# KiCad board hh2024.kicad_pcb (continued)
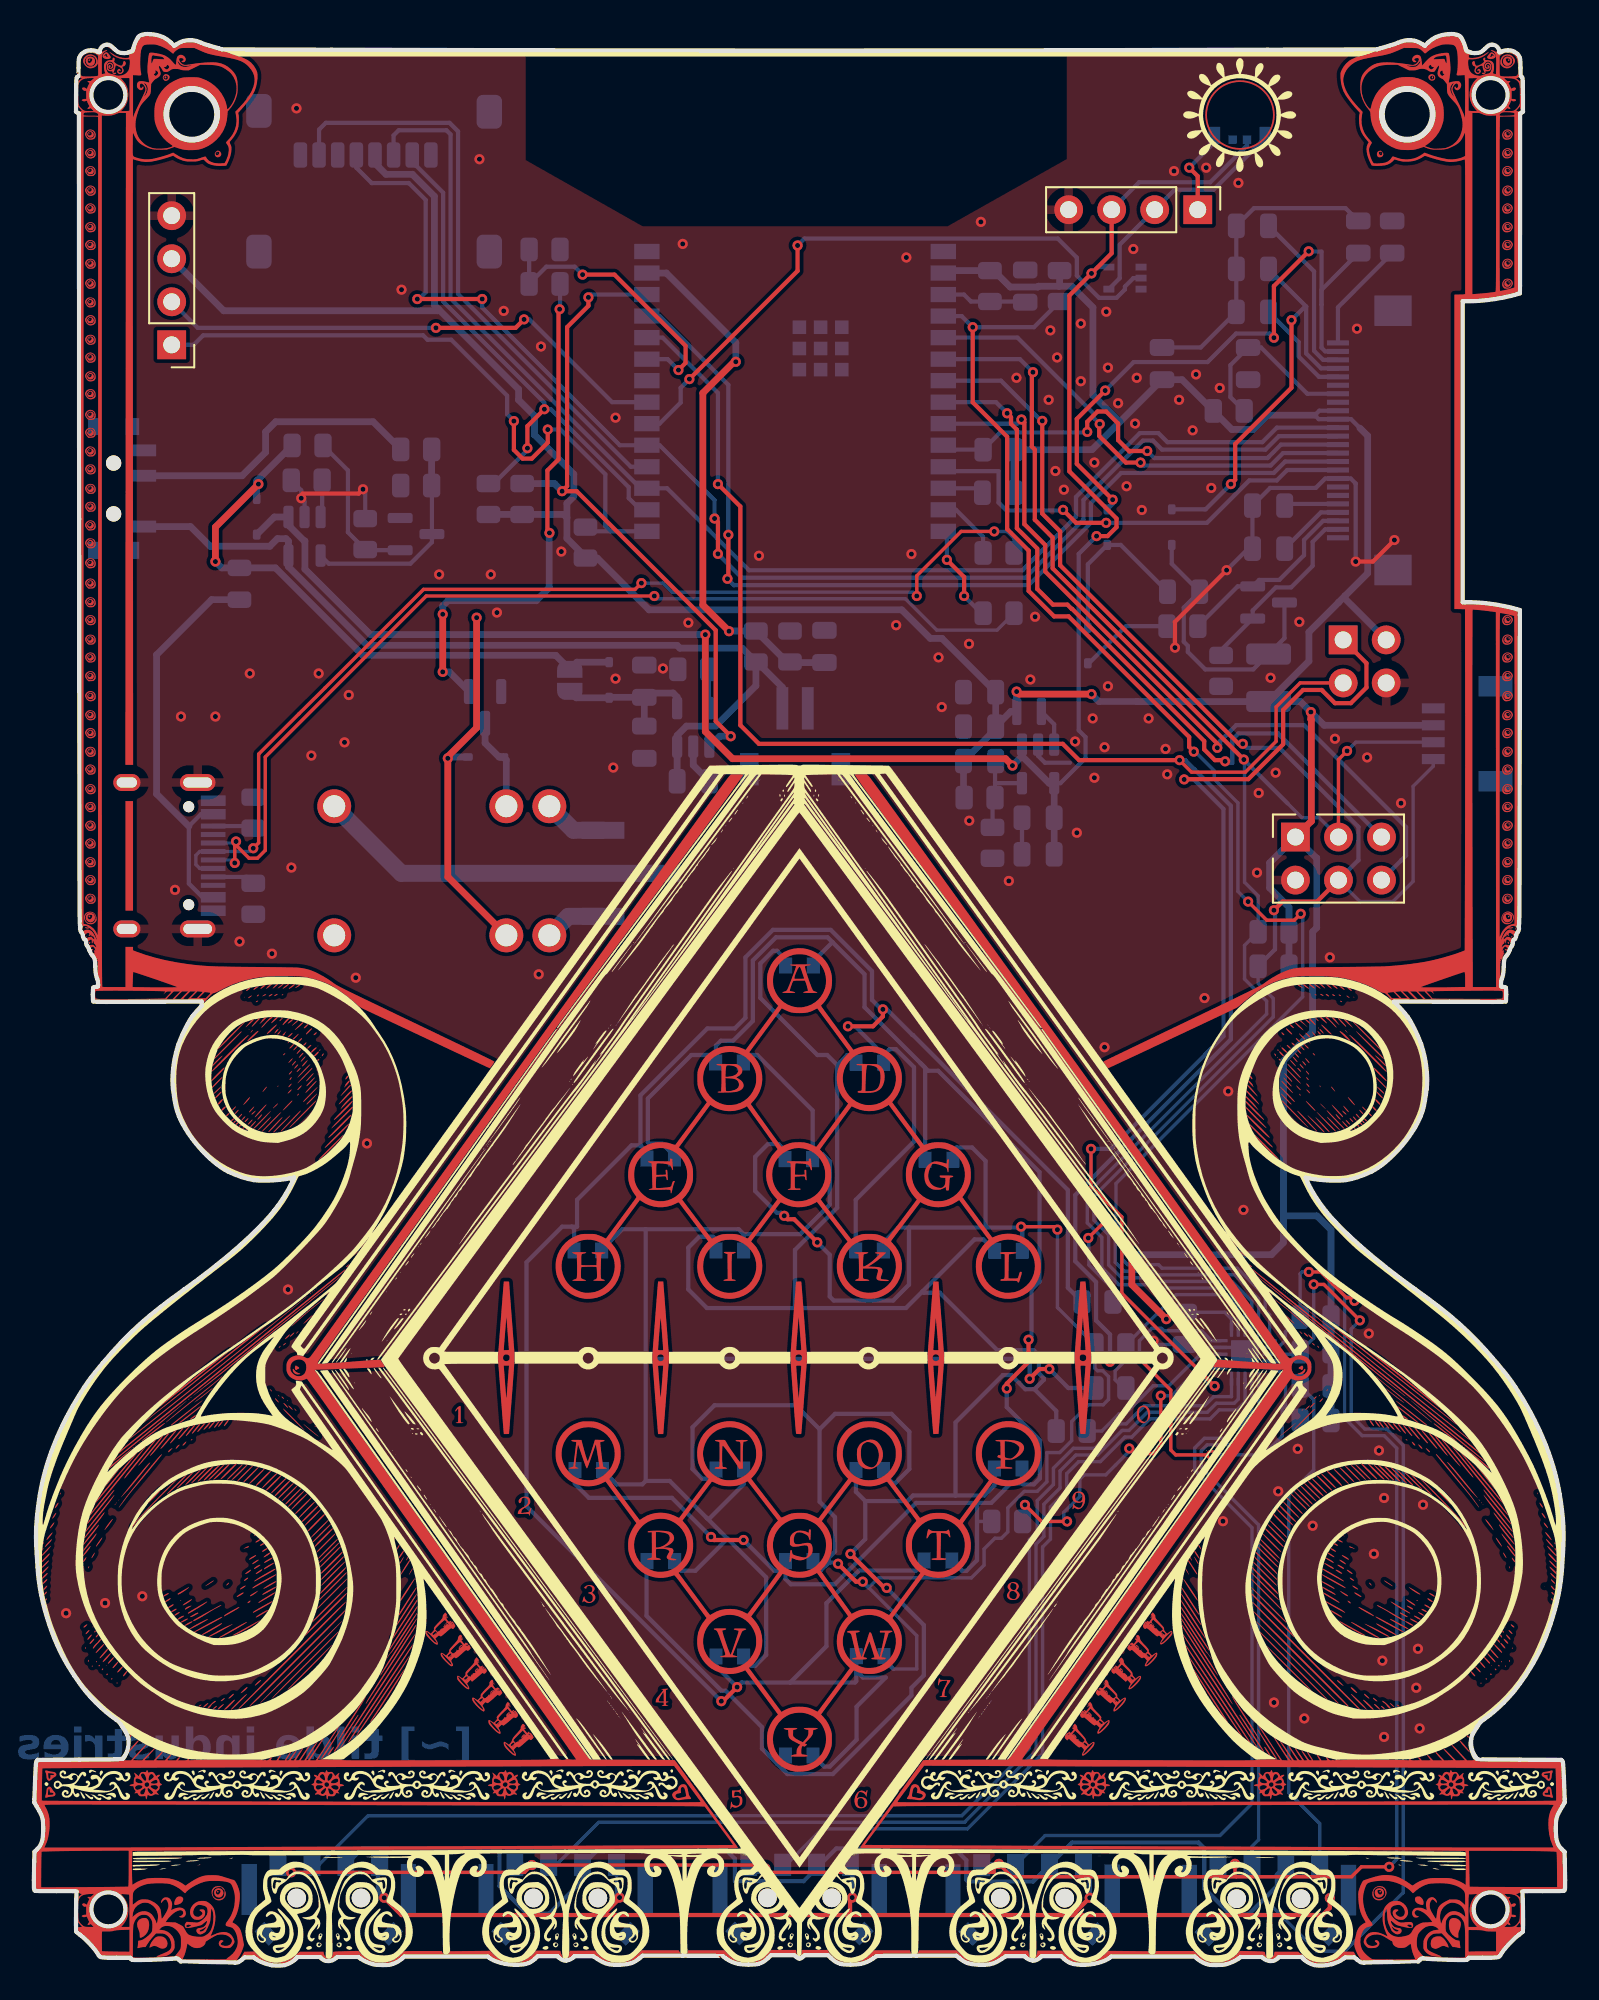
[diagram p0: board, top side]
## Routing (per net, layer and track width the routed paths; a pad name or vN(x,y) marks a point on that pad's centre or on a via; arc(x,y) is an arc through that point) (continued)
MSWS1: length 75.3
  Bottom w0.2: 16.75,5.89 19.73,8.88 54.78,8.88 58.76,12.86 58.76,25.18 58.78,25.18 59.23,25.63 59.23,27.47 60.18,28.42 60.18,29.38 61.36,30.56 62.63,30.56 64.06,31.98 64.06,32 64.48,32 65.55,33.07 69.11,33.07 69.64,33.6 70.7,33.6 U2.20
MSWS2: length 61.8
  Bottom w0.2: U2.19 71.1,33.45 70.86,33.21 69.8,33.21 69.27,32.68 65.71,32.68 64.64,31.61 64.24,31.61 62.79,30.16 61.52,30.16 60.57,29.22 60.57,28.21 59.62,27.25 59.62,25.36 59.15,24.89 59.15,12.7 54.94,8.49 33.34,8.49 30.75,5.89
MSWS3: length 48.7
  Bottom w0.2: U2.18 71.5,33.3 71.02,32.82 69.97,32.82 69.43,32.29 65.87,32.29 64.8,31.22 64.4,31.22 62.95,29.77 61.68,29.77 60.96,29.06 60.96,28.05 60.01,27.09 60.01,25.2 59.54,24.73 59.54,12.54 55.1,8.1 46.52,8.1 44.31,5.89
MSWS4: length 44.1
  Bottom w0.2: SW4.C 59.7,7.71 70.01,7.71 71.91,9.6 71.91,25.87 69.01,28.77 69.01,28.77 68.52,29.26 68.52,30.57 69.1,31.14 70.44,31.14 71.9,32.6 U2.17
MSWS5: length 32.5
  Bottom w0.2: SW5.C 71.9,7.06 72.3,7.46 72.3,26.03 68.91,29.42 68.91,30.41 69.26,30.75 70.6,30.75 72.3,32.45 U2.16
SCL: length 98.6
  Top w0.25: v1(73.2,62.31) 73.71,62.81 75.74,62.81 J3.4 ; v1(71.36,72.13) 71.11,72.13 60.58,82.66 60.58,84.66 59.52,85.71 v1(59.52,91.18)
  Bottom w0.2: J1.4 82.61,70.81 81.41,69.62 81.41,64.01 80.23,62.82 78.27,62.82 J3.4 ; U2.9 71.9,39.23 70.72,40.4 66.19,40.4 65.98,40.61 64.2,40.61 63.44,41.37 63.44,43.15 62.57,44.02 62.57,45.43 73.16,56.01 73.16,57.1 72.27,58 R11.1
  Bottom w0.25: v1(71.36,72.13) 71.6,71.89 73.52,71.89 78.19,67.22 78.19,65.25 78.18,65.25 J3.4 ; U3.7 57.09,93.56 59.46,91.18 v1(59.52,91.18) ; v1(73.2,62.31) 73.26,62.24 73.26,60 R11.1
SDA: length 98.6
  Top w0.2: J3.3 77.01,71.2 v1(77.52,71.7)
  Top w0.25: v1(71.42,71.2) 60.14,82.48 60.14,84.3 59.08,85.35 59.08,89.48 58.91,89.66 58.91,93.99 v1(58.98,94.06)
  Bottom w0.2: U2.8 71.5,39.07 70.56,40.01 66.03,40.01 65.83,40.21 64.06,40.21 63.04,41.22 63.04,43 62.18,43.86 62.18,45.6 72.77,56.19 72.77,56.94 71.46,58.25 71.46,60.23 R12.1 72.27,63.16 71.46,63.96 71.46,71.15 v1(71.42,71.2) ; J3.3 75.87,67.76 74.85,67.76 74.01,68.61 ; J1.3 78.04,72.22 v1(77.52,71.7)
  Bottom w0.25: v1(71.42,71.2) 74.01,68.61 ; U3.6 58.21,94.83 v1(58.98,94.06)
VUSB: length 35.8
  Top w0.4: v1(13.26,87.45) 10.72,84.91 v1(10.72,82.88)
  Bottom w0.4: D23.2 32.06,76.94 JP1.1 30.81,77.35 19.42,77.35 14.26,82.51 F1.1 11.09,82.51 v1(10.72,82.88) ; R27.1 13.15,87.64 13.15,87.55 v1(13.26,87.45) 13.15,87.35 D24.2
Net-(D21-A): length 5.6
  Bottom w0.4: Q1.3 26.63,72.17 27.46,71.35 D21.2 27.89,71.17 K1.2
Net-(D22-DIN): length 14.1
  Bottom w0.25: 72.69,107.88 69.63,104.82 67.34,104.82 J7.2 64.09,101.58 64.09,99.6 U1.4
Net-(D22-DOUT): length 5.2
  Top w0.25: v1(68.2,106.12) 68.7,105.62 J7.1
  Bottom w0.25: v1(68.2,106.12) 69.68,107.6 D22.1
Net-(D23-K): length 8.7
  Bottom w0.4: C8.2 C6.2 33.98,74.87 ; D23.1 32.01,74.84 JP1.2 ; 36.28,75.12 37.73,75.12 37.97,74.88 U5.4
Net-(D25-A): length 10.1
  Bottom w0.25: C13.1 64.16,83.86 D26.1 62.22,82.72 D25.2
Net-(D27-A): length 16.5
  Bottom w0.25: Q3.3 73.82,78.36 L2.2 71.98,76.52 69.15,76.52 68.12,77.55 68.12,77.91 67.88,78.15 67.88,80.17 C13.2 67.17,82.75 D27.2
Net-(J2-Pin_1): length 3.6
  Bottom w1: K1.4 31.55,61.94 J2.1
Net-(J2-Pin_2): length 20.8
  Bottom w1: K1.1 21.69,64.48 J2.2
Net-(J2-Pin_3): length 3.8
  Bottom w1: J2.3 31.85,67.02 K1.3
Net-(J8-Pin_2): length 30.9
  Top w0.25: v1(28.93,97.17) 28.43,96.67 v1(23.73,96.67)
  Bottom w0.25: v1(28.93,97.17) 29.25,97.17 34.14,92.29 U3.21 ; v1(23.73,96.67) 9.67,96.67 J8.2
Net-(J10-Pin_7): length 10.9
  Bottom w0.25: J10.7 75.17,92.78 72.44,95.51 C19.2 70.63,94.47 70.63,92.59 R36.2
Net-(Q1-G): length 30.9
  Top w0.25: v1(30.43,84.57) 30.31,84.69 30.31,88.26 30.97,88.91 30.97,97.7 v1(31.03,97.77)
  Top w0.4: v1(24.13,76.37) v1(24.13,79.77)
  Bottom w0.25: R9.1 31.06,97.8 v1(31.03,97.77)
  Bottom w0.4: v1(24.13,76.37) 24.52,76.37 Q1.1 ; v1(30.43,84.57) 30.42,84.56 30.42,81.34 29.65,80.57 24.45,80.57 24.13,80.26 v1(24.13,79.77)
Net-(Q2-D): length 12.8
  Bottom w0.25: U6.4 17.41,82.76 22.23,82.76 23.5,84.02 Q2.3 23.5,87.35
  Bottom w0.4: R30.2 23.48,89.5
Net-(Q2-G): length 9.2
  Bottom w0.25: R28.2 18.54,84.61 18.54,88.26 R27.2 ; Q2.1 19.6,83.55
Net-(SW6-B): length 17.9
  Bottom w0.4: R29.2 20.02,91.13 14.28,91.13 13.68,90.53 13.68,89.33 12.29,87.94 SW6.2
Net-(U3-EN/CHIP_PU): length 5
  Bottom w0.25: U3.3 54.9,98.64 55.32,98.22 R17.1 58.48,98.22
Net-(U3-GPIO12/USB_D-): length 4
  Bottom w0.25: U3.13 54.43,85.94 56.03,84.34 R21.2
Net-(U3-GPIO13/USB_D+): length 5.5
  Top w0.25: v1(54.91,80.85) 54.91,81.97 v1(53.9,82.98)
  Bottom w0.25: v1(53.9,82.98) 53.9,84.45 ; 55.93,79.83 v1(54.91,80.85)
Net-(U5-PROG): length 2.2
  Bottom w0.25: R25.2 39.83,74.27
Net-(U6-SET): length 2.1
  Bottom w0.25: R33.2 17.02,85.6

## Copper pours and planes (outline as drawn; the poured copper is in the pictures)
GND on Top, Bottom: 93.49,-3.73 -3.42,-4.59 0.01,115.91 91.36,116.46
(no net) on Top: 50.37,28.75 49.41,28.52 48.19,28.79 46.43,26.42 46.94,25.33 46.78,23.94 45.9,23.22 45.12,23.12 44,23.42 43.51,24.43 43.48,25.31 44.1,26.21 42.13,28.87 41.37,28.52 40.42,28.62 39.97,28.92 38.02,26.24 38.54,25.66 38.75,24.85 38.43,23.87 37.87,23.33 39.84,20.59 40.46,20.9 41,20.96 41.62,20.86 42.13,20.65 42.61,20.08 42.83,19.45 42.82,18.81 42.63,18.42 42.07,17.65 44.13,14.85 44.94,15.08 45.83,15.03 46.23,14.8 48.34,17.62 47.65,18.43 47.51,19.41 47.85,20.29 48.22,20.67 48.69,20.86 49.4,21 50.01,20.84 50.45,20.56 52.46,23.21 51.83,23.84 51.64,24.28 51.59,25.15 51.82,25.81 52.25,26.3
(no net) on Top: 40,42.8 40.96,43.03 42.18,42.76 43.94,45.14 43.43,46.22 43.59,47.61 44.47,48.34 45.25,48.43 46.37,48.14 46.86,47.12 46.89,46.24 46.27,45.34 48.24,42.68 49,43.03 49.95,42.93 50.4,42.63 52.35,45.31 51.83,45.89 51.62,46.71 51.94,47.68 52.5,48.22 50.53,50.96 49.91,50.65 49.37,50.59 48.75,50.69 48.24,50.9 47.76,51.47 47.54,52.1 47.55,52.74 47.74,53.13 48.3,53.9 46.24,56.7 45.43,56.47 44.54,56.52 44.14,56.75 42.03,53.93 42.72,53.12 42.86,52.14 42.52,51.26 42.15,50.88 41.68,50.69 40.97,50.55 40.36,50.71 39.92,50.99 37.91,48.34 38.54,47.71 38.73,47.27 38.78,46.4 38.55,45.74 38.12,45.25

## Text on the board
Bottom: [~] tilde.industries
B.Mask: [~] tilde.industries
B.Silkscreen: - | 23 | 9 | + | I | D | QWIIC | Power / Switch | 3.3V / Regulator | Display | I/O / controller | SAO | -    + / Battery
